# KiCad board Batch 1.kicad_pcb (continued)
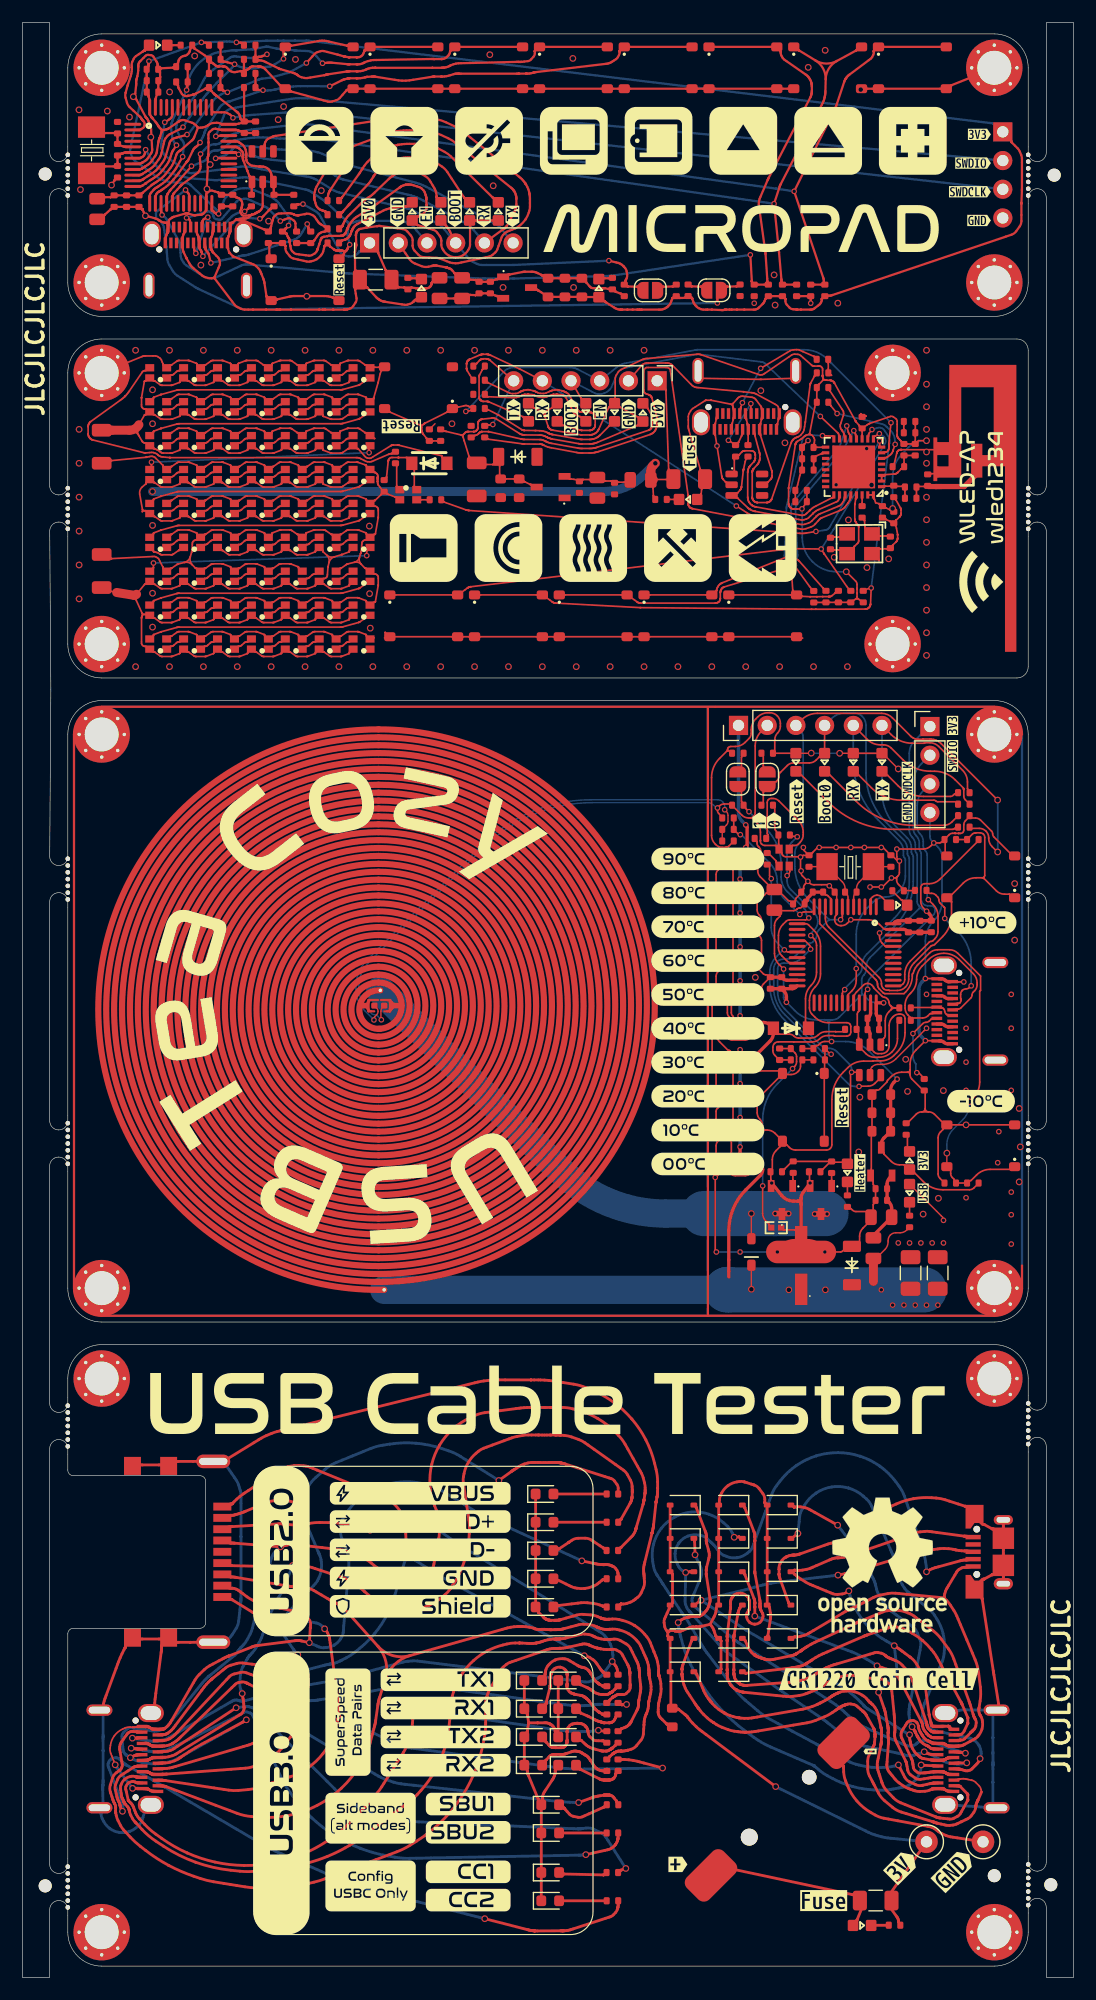
[diagram p0: board, top side]
## Routing (per net, layer and track width the routed paths; a pad name or vN(x,y) marks a point on that pad's centre or on a via; arc(x,y) is an arc through that point) (continued)
/Copy: length 54.2
  Top w0.2: 20.68,169.81 20.87,169.96 arc(20.88,169.96) 20.88,169.96 20.93,169.96 arc(20.97,169.96) 21.02,169.97 21.11,169.99 arc(21.16,170) 21.2,170.02 v2(21.63,170.19) ; 20.68,169.81 arc(20.66,169.76) 20.7,169.71 ; 20.68,169.81 arc(20.64,169.8) 20.61,169.85 ; U2.13 11.25,157.66 arc(11.25,157.7) 11.27,157.75 11.3,157.83 arc(11.32,157.87) 11.34,157.91 11.61,158.22 arc(11.63,158.24) 11.66,158.27 11.71,158.31 arc(11.74,158.33) 11.77,158.35 11.92,158.44 arc(11.94,158.46) 11.97,158.47 12.02,158.5 arc(12.04,158.52) 12.07,158.54 arc(12.09,158.55) 12.11,158.57 12.42,158.79 arc(12.52,158.86) 12.61,158.94 12.78,159.1 arc(12.86,159.18) 12.94,159.27 13.38,159.82 arc(13.42,159.87) 13.46,159.92 13.53,160.03 arc(13.56,160.08) 13.59,160.13 13.66,160.24 v2(14.16,161.13) ; 20.61,169.85 R10.2 ; 20.61,169.85 arc(20.63,169.76) 20.7,169.71 ; SW5.2 45.95,170.85 arc(45.76,170.82) 45.6,170.72 45.34,170.49 arc(45.34,170.49) 45.34,170.49 arc(45.34,170.49) 45.34,170.48 45.34,170.48 arc(45.34,170.48) 45.34,170.48 45.33,170.47 arc(45.33,170.47) 45.33,170.47 arc(45.33,170.46) 45.33,170.46 45.33,170.46 arc(45.33,170.46) 45.33,170.45 45.33,170.28 arc(45.31,170.13) 45.22,169.99 45,169.74 arc(44.88,169.64) 44.72,169.59 44.18,169.53 arc(44.16,169.52) 44.15,169.52 arc(44.14,169.52) 44.12,169.52 44.09,169.52 arc(44.08,169.52) 44.06,169.52 43.98,169.52 arc(43.95,169.52) 43.92,169.52 43.91,169.52 arc(43.9,169.52) 43.89,169.52 arc(43.88,169.52) 43.87,169.52 43.86,169.52 arc(43.84,169.52) 43.82,169.52 43.78,169.52 arc(43.76,169.52) 43.74,169.52 43.69,169.52 38.8,169.41 38.58,169.4 arc(38.46,169.39) 38.35,169.37 38.13,169.31 arc(38.03,169.28) 37.92,169.23 37.74,169.14 arc(37.68,169.11) 37.61,169.08 37.47,169.04 arc(37.41,169.03) 37.34,169.02 37.24,169.01 arc(37.23,169.01) 37.21,169.01 arc(37.19,169) 37.18,169 37.14,169 arc(37.12,169) 37.11,169 36.26,169 31.25,169 arc(31.24,169) 31.24,169 31.2,169 arc(31.2,169) 31.19,169 30.97,169 arc(30.9,169) 30.82,168.98 30.67,168.95 arc(30.6,168.93) 30.53,168.91 30.3,168.8 arc(30.2,168.77) 30.1,168.74 29.9,168.7 arc(29.8,168.69) 29.7,168.69 29.59,168.69 arc(29.59,168.69) 29.58,168.69 29.57,168.69 arc(29.55,168.69) 29.53,168.69 28.97,168.69 arc(28.95,168.69) 28.93,168.69 arc(28.9,168.69) 28.88,168.69 28.81,168.69 arc(28.8,168.69) 28.79,168.68 28.76,168.68 arc(28.75,168.68) 28.74,168.68 arc(28.73,168.68) 28.72,168.68 28.71,168.68 arc(28.69,168.67) 28.68,168.67 arc(28.66,168.67) 28.65,168.67 27.04,168.42 27,168.42 arc(26.98,168.41) 26.96,168.41 26.92,168.4 arc(26.9,168.39) 26.88,168.39 26.85,168.38 arc(26.83,168.37) 26.81,168.37 26.78,168.36 arc(26.76,168.35) 26.74,168.35 25.47,168.14 25.2,168.09 arc(25.07,168.09) 24.94,168.1 24.68,168.16 arc(24.56,168.21) 24.44,168.27 24.34,168.35 arc(24.34,168.35) 24.33,168.36 24.33,168.36 arc(24.32,168.36) 24.32,168.36 arc(24.31,168.37) 24.31,168.37 24.25,168.42 arc(24.21,168.44) 24.17,168.46 24.09,168.5 arc(24.05,168.52) 24.01,168.53 23.92,168.56 22.8,168.89 arc(22.78,168.89) 22.76,168.9 22.73,168.91 arc(22.71,168.92) 22.69,168.93 21.55,169.49 21.41,169.56 arc(21.34,169.59) 21.26,169.61 21.11,169.65 arc(21.04,169.66) 20.96,169.67 20.83,169.67 arc(20.78,169.67) 20.74,169.69 20.7,169.71
  Bottom w0.2: v2(21.63,170.19) 20.69,169.92 arc(20.59,169.9) 20.49,169.88 20.28,169.87 arc(20.17,169.86) 20.07,169.87 19.86,169.89 18.77,170.02 arc(18.71,170.02) 18.65,170.01 18.52,169.97 arc(18.46,169.95) 18.41,169.92 18.3,169.85 16.65,168.68 arc(16.55,168.6) 16.45,168.5 16.28,168.31 arc(16.19,168.2) 16.12,168.09 15.99,167.85 15.31,166.61 15.29,166.58 arc(15.29,166.57) 15.28,166.56 15.26,166.53 arc(15.25,166.52) 15.24,166.51 15.23,166.48 14.09,164.96 arc(14,164.83) 13.93,164.68 13.78,164.39 arc(13.71,164.24) 13.66,164.09 13.6,163.86 arc(13.59,163.81) 13.59,163.76 13.59,163.65 arc(13.6,163.59) 13.62,163.54 13.94,162.85 13.96,162.79 arc(13.97,162.77) 13.99,162.74 14.03,162.69 arc(14.04,162.67) 14.06,162.64 14.14,162.57 arc(14.19,162.51) 14.22,162.44 14.27,162.3 arc(14.29,162.22) 14.29,162.15 v2(14.16,161.13)
/D+: length 109.9
  Top w0.15: 74.32,82.07 74.64,81.75 arc(74.99,81.51) 75.41,81.43 75.78,81.43 arc(76.41,81.56) 76.95,81.91 arc(77.3,82.45) 77.43,83.08 77.43,84.38 ; 73.87,84.22 73.87,85.25 arc(73.89,85.37) 73.96,85.47 74.02,85.53 arc(74.04,85.56) 74.05,85.6 U6.33 ; U4.26 72.24,130.99 arc(72.24,130.95) 72.24,130.91 72.24,130.83 arc(72.23,130.79) 72.21,130.75 72.16,130.68 arc(72.14,130.64) 72.1,130.62 72.02,130.59 70.46,129.9 70.34,129.85 arc(70.28,129.82) 70.23,129.79 70.12,129.71 arc(70.07,129.67) 70.02,129.63 69.97,129.57 arc(69.96,129.56) 69.95,129.56 69.95,129.55 arc(69.93,129.54) 69.92,129.52 69.74,129.35 69.57,129.18 arc(69.48,129.11) 69.37,129.07 69.14,129 arc(69.03,128.98) 68.91,128.99 68.68,129.03 64.85,129.74 arc(64.84,129.74) 64.84,129.74 arc(64.83,129.75) 64.82,129.75 64.72,129.77 arc(64.66,129.78) 64.61,129.8 64.51,129.84 arc(64.46,129.87) 64.42,129.89 64.35,129.94 arc(64.34,129.94) 64.34,129.94 arc(64.34,129.94) 64.34,129.94 64.3,129.97 arc(64.28,129.98) 64.26,130 64.23,130.03 arc(64.21,130.04) 64.19,130.06 63.28,130.91 arc(63.28,130.91) 63.28,130.92 63.27,130.92 arc(63.27,130.92) 63.27,130.92 arc(63.27,130.92) 63.27,130.92 63.01,131.03 arc(62.94,131.15) 63.01,131.27 63.27,131.38 arc(63.27,131.38) 63.27,131.38 arc(63.27,131.38) 63.27,131.38 63.28,131.38 arc(63.28,131.39) 63.28,131.39 63.49,131.62 arc(63.5,131.62) 63.5,131.63 arc(63.5,131.63) 63.51,131.64 63.52,131.65 arc(63.52,131.65) 63.52,131.66 63.57,131.73 arc(63.58,131.74) 63.58,131.75 63.6,131.78 arc(63.6,131.8) 63.6,131.81 63.62,131.88 arc(63.62,131.89) 63.62,131.89 arc(63.62,131.89) 63.62,131.9 63.62,131.9 arc(63.62,131.91) 63.62,131.91 arc(63.62,131.91) 63.62,131.92 63.78,133.31 63.78,133.34 arc(63.78,133.35) 63.79,133.36 63.79,133.38 arc(63.79,133.4) 63.79,133.41 63.8,133.45 arc(63.8,133.45) 63.8,133.45 arc(63.8,133.45) 63.8,133.45 63.81,133.47 arc(63.81,133.48) 63.81,133.49 63.95,134.16 arc(64.01,134.32) 64.09,134.46 R40.2 ; 73.97,83.58 73.97,83.16 arc(73.98,83.14) 73.99,83.12 74.01,83.1 arc(74.01,83.1) 74.01,83.1
  Top w0.2: R3.2 22.34,157.76 arc(22.27,157.78) 22.24,157.85 22.23,157.88 arc(22.23,157.93) 22.23,157.98 22.23,158.4 arc(22.22,158.45) 22.22,158.5 22.21,158.67 arc(22.19,158.9) 22.13,159.11 22.03,159.43 arc(22.02,159.45) 22.02,159.46 22.02,159.53 arc(22.01,159.59) 22,159.64 21.96,159.75 arc(21.93,159.8) 21.9,159.85 21.77,160.02 arc(21.71,160.08) 21.63,160.13 21.47,160.21 arc(21.38,160.24) 21.29,160.25 21.06,160.25 arc(21.05,160.25) 21.04,160.25 21.02,160.25 arc(21.01,160.25) 21,160.25 20.98,160.26 arc(20.96,160.26) 20.95,160.26 arc(20.94,160.26) 20.93,160.26 20.52,160.31 20.3,160.34 arc(20.2,160.37) 20.11,160.43 19.94,160.58 arc(19.87,160.66) 19.82,160.76 19.79,160.86 arc(19.79,160.87) 19.79,160.87 arc(19.79,160.87) 19.79,160.87 19.79,160.89 arc(19.78,160.91) 19.78,160.94 19.77,160.98 arc(19.77,161) 19.77,161.03 19.77,161.06 arc(19.77,161.06) 19.77,161.07 19.77,161.08 arc(19.77,161.09) 19.77,161.09 19.77,161.1 arc(19.77,161.1) 19.77,161.1 arc(19.77,161.1) 19.77,161.1 arc(19.77,161.1) 19.77,161.1 arc(19.77,161.1) 19.77,161.1 19.77,161.11 arc(19.77,161.11) 19.77,161.11 19.8,161.26 arc(19.8,161.29) 19.8,161.32 19.8,161.37 arc(19.8,161.4) 19.8,161.42 19.74,161.74 arc(19.72,161.82) 19.68,161.9 19.59,162.05 arc(19.53,162.12) 19.47,162.18 19.13,162.43 arc(19.09,162.45) 19.06,162.46 18.98,162.49 arc(18.94,162.5) 18.9,162.5 U2.33
  Top w0.25: 52.96,40.54 52.96,40.54 arc(52.96,40.54) 52.96,40.54 52.96,40.54 arc(52.96,40.54) 52.96,40.54 52.96,40.55 arc(52.97,40.55) 52.97,40.55 arc(52.97,40.55) 52.97,40.55 53.75,41.94 53.8,42.02 arc(53.82,42.05) 53.83,42.08 53.86,42.14 arc(53.87,42.17) 53.88,42.21 53.89,42.27 arc(53.9,42.3) 53.91,42.34 53.91,42.34 arc(53.92,42.37) 53.92,42.39 53.93,42.43 arc(53.93,42.45) 53.93,42.47 53.94,42.5 arc(53.94,42.51) 53.94,42.53 arc(53.94,42.55) 53.94,42.56 53.96,42.95 arc(53.96,42.97) 53.96,42.98 53.96,43 arc(53.96,43.01) 53.96,43.02 53.94,43.48 arc(53.9,43.75) 53.8,44 53.53,44.49 arc(53.38,44.71) 53.17,44.9 52.49,45.38 50.57,46.74 49.77,47.31 arc(49.5,47.48) 49.2,47.61 48.58,47.83 arc(48.27,47.92) 47.95,47.97 47.53,48 arc(47.49,48) 47.44,48 47.35,48 arc(47.3,48) 47.26,48 47.23,48 arc(47.21,48) 47.2,48 arc(47.19,48) 47.17,48 47.16,48 arc(47.14,48) 47.11,48 46.79,48 arc(46.76,48) 46.73,48 arc(46.7,48) 46.67,48 46.4,48 arc(46.3,48) 46.19,48 arc(46.09,48) 45.99,48 45.71,48 arc(45.69,48) 45.66,48 arc(45.63,48) 45.61,48 44.74,48.01 arc(44.5,47.99) 44.25,47.96 43.77,47.88 arc(43.53,47.82) 43.3,47.75 42.6,47.49 41.57,47.11 40.81,46.83 arc(40.57,46.72) 40.35,46.57 40.14,46.39 arc(39.76,46.01) 39.45,45.58 arc(39.22,45.1) 39.07,44.58 39.02,44.31 arc(38.99,44.05) 39.01,43.78 39.13,42.98 39.5,40.48 arc(39.54,40.07) 39.55,39.67 39.53,39.26 arc(39.46,38.45) 39.32,37.65 arc(39.11,36.87) 38.82,36.11 38.66,35.73 arc(38.48,35.37) 38.27,35.02 38.05,34.69 arc(38.05,34.68) 38.04,34.67 arc(38.03,34.66) 38.03,34.65 37.84,34.37 arc(37.63,34.1) 37.38,33.86 37.12,33.64 arc(36.56,33.24) 35.95,32.92 arc(35.3,32.68) 34.63,32.55 arc(33.94,32.5) 33.26,32.56 arc(32.59,32.71) 31.94,32.95 31.63,33.09 arc(31.33,33.26) 31.05,33.46 29.69,34.64 arc(29.51,34.78) 29.31,34.91 28.89,35.15 arc(28.68,35.25) 28.46,35.34 27.78,35.56 26.35,36.03 25.64,36.26 arc(25.4,36.33) 25.16,36.37 24.66,36.44 arc(24.41,36.46) 24.16,36.46 v1(23.88,36.44) 23.22,36.27 arc(23.13,36.25) 23.04,36.24 22.85,36.23 arc(22.76,36.22) 22.67,36.23 21.98,36.32 arc(21.87,36.33) 21.75,36.34 21.53,36.36 arc(21.41,36.37) 21.3,36.37 20.96,36.38 18.52,36.44 arc(18.5,36.44) 18.49,36.44 arc(18.48,36.44) 18.46,36.44 18.41,36.44 arc(18.35,36.45) 18.29,36.46 17.68,36.67 ; v1(19.43,25.12) 19.52,24.6 arc(19.54,24.5) 19.55,24.41 19.57,24.22 arc(19.58,24.12) 19.59,24.03 19.6,23.81 arc(19.6,23.72) 19.56,23.63 19.48,23.46 arc(19.42,23.38) 19.35,23.32 13.94,20 13.53,19.74 arc(13.39,19.67) 13.24,19.61 12.93,19.53 arc(12.77,19.49) 12.61,19.48 12.39,19.48 arc(12.33,19.48) 12.26,19.48 11.69,19.44 arc(11.63,19.43) 11.56,19.43 11.5,19.43 arc(11.49,19.43) 11.49,19.43 11.48,19.43 arc(11.48,19.43) 11.47,19.43 11.4,19.41 arc(11.38,19.4) 11.36,19.4 11.33,19.37 arc(11.31,19.36) 11.29,19.35 11.28,19.34 arc(11.28,19.34) 11.28,19.33 arc(11.27,19.33) 11.27,19.33 11.26,19.32 arc(11.24,19.3) 11.23,19.29 11.19,19.27 arc(11.17,19.26) 11.15,19.26 11.09,19.24 arc(11.08,19.24) 11.08,19.24 arc(11.08,19.24) 11.07,19.23 11.06,19.23 arc(11.06,19.23) 11.06,19.23 10.99,19.23 arc(10.93,19.23) 10.86,19.23 J11.B6
  Bottom w0.25: v1(19.43,25.12) 19.31,25.47 arc(19.23,25.79) 19.23,26.13 19.28,26.81 arc(19.35,27.14) 19.48,27.45 19.87,28.16 19.92,28.26 arc(19.94,28.3) 19.96,28.33 20.01,28.39 arc(20.03,28.42) 20.06,28.45 20.13,28.53 20.3,28.7 arc(20.48,28.91) 20.63,29.14 20.92,29.61 arc(21.06,29.85) 21.16,30.1 21.44,30.88 21.81,31.89 21.83,31.96 arc(21.84,31.99) 21.85,32.01 21.87,32.06 arc(21.88,32.08) 21.89,32.1 22.28,32.96 arc(22.32,33.04) 22.36,33.12 22.45,33.28 arc(22.49,33.36) 22.54,33.44 22.71,33.71 arc(22.82,33.88) 22.91,34.05 23.09,34.41 arc(23.17,34.59) 23.25,34.77 23.46,35.33 v1(23.88,36.44)
/D-: length 139.2
  Top w0.15: 76.84,85.97 76.79,86.02 arc(76.71,86.14) 76.68,86.29 arc(76.65,86.44) 76.57,86.56 76.47,86.66 arc(76.38,86.72) 76.27,86.74 arc(76.17,86.76) 76.08,86.82 75.34,87.56 arc(75.32,87.59) 75.31,87.62 arc(75.31,87.66) 75.29,87.69 75.16,87.81 arc(74.99,87.93) 74.79,87.97 arc(74.59,87.93) 74.42,87.81 73.8,87.19 arc(73.61,86.92) 73.55,86.6 U6.32 ; 76.84,85.97 arc(76.91,85.8) 76.84,85.63 ; 76.84,85.97 arc(77.03,85.84) 77.24,85.8 ; 77.59,85.81 77.59,85.79 ; 77.59,85.81 77.59,85.89 ; 77.59,85.81 arc(77.59,85.8) 77.58,85.8 ; 77.59,85.79 77.59,85.79 ; 77.59,85.79 arc(77.59,85.8) 77.58,85.8 ; ESD2.1 62.96,133.25 arc(62.98,133.28) 62.99,133.31 62.99,134.36 arc(62.99,134.39) 63.01,134.43 63.05,134.49 arc(63.11,134.58) 63.2,134.64 63.41,134.75 arc(63.42,134.75) 63.42,134.75 arc(63.42,134.75) 63.42,134.75 63.43,134.76 arc(63.43,134.76) 63.43,134.76 63.43,134.76 arc(63.43,134.76) 63.44,134.77 63.67,135.02 arc(63.69,135.03) 63.71,135.05 63.75,135.07 arc(63.77,135.08) 63.8,135.09 63.83,135.1 arc(63.84,135.1) 63.85,135.1 arc(63.86,135.1) 63.87,135.1 63.88,135.1 arc(63.89,135.11) 63.9,135.11 arc(63.91,135.11) 63.92,135.11 64.57,135.1 arc(64.62,135.09) 64.66,135.07 64.75,135 arc(64.79,134.96) 64.81,134.91 64.83,134.85 arc(64.83,134.84) 64.83,134.83 arc(64.83,134.81) 64.84,134.8 64.84,134.8 arc(64.84,134.79) 64.84,134.78 arc(64.84,134.77) 64.84,134.77 64.84,134.75 arc(64.85,134.74) 64.85,134.73 64.85,134.45 arc(64.85,134.44) 64.84,134.43 64.84,134.42 arc(64.84,134.41) 64.84,134.4 64.83,134.32 arc(64.82,134.31) 64.82,134.29 64.8,134.26 arc(64.8,134.25) 64.79,134.24 64.75,134.18 arc(64.75,134.18) 64.75,134.17 arc(64.74,134.17) 64.74,134.16 64.73,134.15 arc(64.73,134.15) 64.73,134.15 64.4,133.78 arc(64.39,133.77) 64.38,133.76 64.36,133.74 arc(64.36,133.73) 64.35,133.72 64.32,133.69 arc(64.32,133.68) 64.32,133.68 64.29,133.63 arc(64.27,133.6) 64.25,133.57 64.23,133.5 arc(64.22,133.47) 64.21,133.44 64.19,133.37 arc(64.19,133.37) 64.19,133.37 arc(64.19,133.37) 64.19,133.37 64.18,133.32 arc(64.18,133.31) 64.18,133.29 64.18,133.25 arc(64.17,133.24) 64.17,133.22 64.17,130.98 arc(64.17,130.96) 64.18,130.95 64.18,130.91 arc(64.18,130.89) 64.18,130.88 64.19,130.83 arc(64.19,130.83) 64.19,130.83 arc(64.19,130.83) 64.19,130.83 64.21,130.76 arc(64.22,130.73) 64.23,130.7 64.25,130.63 arc(64.27,130.6) 64.29,130.57 64.36,130.46 arc(64.38,130.43) 64.41,130.41 64.46,130.36 arc(64.48,130.33) 64.51,130.31 64.56,130.27 arc(64.57,130.27) 64.57,130.27 64.62,130.24 arc(64.65,130.22) 64.68,130.2 64.75,130.18 arc(64.78,130.17) 64.82,130.16 64.9,130.14 arc(64.91,130.14) 64.91,130.14 arc(64.92,130.14) 64.92,130.14 68.8,129.41 68.94,129.39 arc(69,129.38) 69.07,129.4 69.2,129.43 arc(69.26,129.46) 69.31,129.5 69.41,129.59 69.63,129.78 arc(69.65,129.8) 69.67,129.82 69.68,129.83 arc(69.68,129.83) 69.69,129.84 arc(69.7,129.85) 69.7,129.86 69.75,129.9 arc(69.8,129.95) 69.85,129.99 69.97,130.08 arc(70.03,130.12) 70.09,130.15 70.22,130.22 71.62,130.94 arc(71.63,130.94) 71.63,130.94 arc(71.63,130.95) 71.64,130.95 71.65,130.95 arc(71.65,130.95) 71.66,130.95 71.7,130.95 arc(71.73,130.96) 71.74,130.99 U4.25 ; 76.18,83.07 76.26,83.15 arc(76.32,83.25) 76.35,83.35 76.35,84.67 arc(76.43,85.1) 76.68,85.47 76.84,85.63 ; 76.84,85.63 arc(77.03,85.76) 77.24,85.8 ; 77.24,85.8 77.58,85.8
  Top w0.2: U2.32 18.78,162 arc(18.86,161.99) 18.95,161.97 19.05,161.93 arc(19.08,161.92) 19.1,161.91 19.14,161.88 arc(19.16,161.86) 19.18,161.85 19.45,161.58 arc(19.48,161.53) 19.5,161.49 19.52,161.38 arc(19.53,161.33) 19.52,161.28 19.51,161.23 arc(19.51,161.23) 19.51,161.23 arc(19.51,161.22) 19.5,161.22 19.5,161.21 arc(19.5,161.2) 19.5,161.19 19.49,161.17 arc(19.49,161.16) 19.49,161.15 19.49,161.14 arc(19.49,161.14) 19.49,161.14 arc(19.49,161.14) 19.49,161.14 19.48,161.1 arc(19.48,161.06) 19.48,161.02 19.49,160.94 arc(19.5,160.9) 19.51,160.86 19.88,159.91 arc(19.89,159.9) 19.89,159.89 arc(19.89,159.89) 19.89,159.88 20.06,159.43 arc(20.06,159.43) 20.07,159.43 20.07,159.42 arc(20.07,159.42) 20.07,159.42 arc(20.07,159.42) 20.07,159.42 20.21,159.11 arc(20.27,158.9) 20.29,158.67 20.28,158.5 arc(20.28,158.45) 20.27,158.4 20.27,157.98 arc(20.27,157.93) 20.27,157.88 R11.2
  Top w0.25: 52.95,38.04 52.95,38.04 arc(52.95,38.04) 52.95,38.04 52.95,38.04 arc(52.95,38.04) 52.95,38.04 53.97,39.08 arc(54.03,39.15) 54.08,39.22 54.17,39.38 arc(54.21,39.46) 54.24,39.55 54.28,39.7 arc(54.28,39.7) 54.28,39.7 arc(54.28,39.71) 54.28,39.71 54.28,39.72 arc(54.29,39.73) 54.29,39.74 54.3,39.78 arc(54.31,39.82) 54.33,39.87 54.93,41.93 arc(54.94,41.97) 54.95,42.01 54.97,42.08 arc(54.98,42.12) 54.98,42.15 54.99,42.18 arc(54.99,42.19) 54.99,42.2 arc(54.99,42.2) 54.99,42.21 54.99,42.23 arc(54.99,42.24) 55,42.25 arc(55,42.27) 55,42.28 55,42.28 arc(55,42.29) 55,42.31 55.07,42.72 arc(55.07,42.77) 55.08,42.81 55.09,42.85 arc(55.09,42.86) 55.09,42.86 arc(55.09,42.86) 55.09,42.86 55.09,42.89 arc(55.09,42.92) 55.09,42.95 55.1,43.01 arc(55.1,43.04) 55.1,43.07 55.1,43.33 arc(55.08,43.56) 55.04,43.78 54.93,44.22 arc(54.85,44.43) 54.76,44.64 53.56,46.77 53.32,47.19 arc(53.06,47.59) 52.75,47.95 52.42,48.29 arc(51.7,48.92) 50.91,49.46 arc(50.06,49.88) 49.16,50.19 48.7,50.32 arc(48.23,50.41) 47.75,50.44 46.78,50.44 46.74,50.44 arc(46.72,50.44) 46.7,50.44 46.26,50.44 arc(46.23,50.44) 46.19,50.44 arc(46.16,50.44) 46.13,50.44 45.69,50.44 arc(45.67,50.44) 45.65,50.44 arc(45.62,50.44) 45.6,50.44 45.21,50.44 arc(45.17,50.44) 45.14,50.44 45.12,50.44 arc(45.1,50.44) 45.09,50.44 44.93,50.44 arc(44.79,50.44) 44.65,50.44 44.37,50.42 arc(44.23,50.41) 44.09,50.39 43.67,50.34 40.9,49.98 arc(40.45,49.88) 40.02,49.72 39.6,49.53 arc(38.8,49.08) 38.07,48.52 arc(37.43,47.86) 36.9,47.11 arc(36.49,46.28) 36.21,45.41 arc(36.07,44.5) 36.06,43.58 36.09,43.12 arc(36.15,42.66) 36.28,42.22 36.44,41.8 arc(36.45,41.79) 36.45,41.78 arc(36.46,41.76) 36.46,41.75 36.61,41.37 arc(36.73,40.96) 36.8,40.54 36.88,39.7 arc(36.88,39.27) 36.83,38.85 36.59,37.57 36.4,36.58 arc(36.3,36.27) 36.12,36 35.91,35.75 arc(35.42,35.31) 34.85,35.01 arc(34.21,34.87) 33.56,34.89 33.23,34.95 arc(32.92,35.04) 32.64,35.21 31.88,35.84 30.84,36.69 arc(30.42,36.98) 29.97,37.21 29.03,37.61 arc(28.55,37.77) 28.05,37.86 27.54,37.92 26.52,38.04 24.01,38.32 arc(23.92,38.33) 23.83,38.33 23.65,38.31 arc(23.57,38.3) 23.48,38.28 v1(22.82,38.1) 18.79,38.43 18.69,38.43 arc(18.66,38.44) 18.63,38.44 18.57,38.44 arc(18.54,38.44) 18.51,38.44 18.41,38.44 arc(18.35,38.45) 18.29,38.46 17.68,38.67 ; v1(19.8,22.8) 19.8,22.79 arc(19.79,22.79) 19.79,22.79 19.77,22.77 arc(19.74,22.75) 19.71,22.73 19.65,22.69 arc(19.62,22.67) 19.59,22.65 19.5,22.6 16.69,21.09 15.86,20.65 arc(15.59,20.49) 15.32,20.33 14.78,20.01 arc(14.51,19.84) 14.25,19.66 13.78,19.34 arc(13.61,19.24) 13.42,19.16 13.04,19.04 arc(12.85,19) 12.65,18.98 12.39,18.98 arc(12.33,18.98) 12.26,18.98 J11.A7 ; J11.B7 10.29,19.69 arc(10.23,19.68) 10.16,19.68 10.08,19.68 arc(10.06,19.68) 10.04,19.68 10.01,19.67 arc(9.99,19.66) 9.97,19.66 9.96,19.65 arc(9.95,19.65) 9.95,19.64 arc(9.94,19.64) 9.94,19.64 9.94,19.64 arc(9.93,19.63) 9.92,19.63 9.57,19.46 arc(9.56,19.46) 9.56,19.45 9.55,19.45 arc(9.55,19.45) 9.54,19.45 v1(9.54,19.45)
  Bottom w0.25: v1(22.82,38.1) 22.81,38.1 arc(22.81,38.09) 22.8,38.09 22.66,38 arc(22.52,37.89) 22.4,37.76 22.19,37.47 arc(22.1,37.32) 22.04,37.16 21.89,36.64 20.77,32.71 arc(20.73,32.56) 20.69,32.41 arc(20.65,32.25) 20.62,32.1 20.34,30.92 arc(20.26,30.65) 20.14,30.39 19.87,29.88 arc(19.72,29.64) 19.54,29.42 19.29,29.15 arc(19.25,29.11) 19.22,29.07 19.15,28.99 arc(19.12,28.95) 19.09,28.91 19.07,28.87 arc(19.06,28.86) 19.06,28.85 arc(19.06,28.85) 19.05,28.84 19.02,28.8 arc(18.99,28.75) 18.95,28.7 18.87,28.61 arc(18.83,28.57) 18.78,28.53 18.65,28.41 16.6,26.74 arc(16.57,26.71) 16.53,26.68 16.5,26.66 arc(16.5,26.65) 16.49,26.65 16.4,26.57 arc(16.32,26.5) 16.24,26.42 16.08,26.26 arc(16,26.17) 15.93,26.09 12.8,22.23 arc(12.65,22.09) 12.47,21.99 12.07,21.84 arc(11.87,21.79) 11.67,21.79 11.04,21.89 10.02,22.05 arc(9.95,22.06) 9.88,22.07 9.81,22.08 arc(9.81,22.08) 9.81,22.08 9.6,22.1 arc(9.4,22.08) 9.24,21.97 8.93,21.68 arc(8.83,21.52) 8.8,21.32 8.84,20.69 8.88,20.15 arc(8.9,20.06) 8.93,19.99 9.02,19.84 arc(9.07,19.77) 9.13,19.72 9.21,19.67 arc(9.21,19.67) 9.21,19.66 arc(9.21,19.66) 9.21,19.66 v1(9.54,19.45) 9.55,19.44 arc(9.55,19.44) 9.56,19.43 9.8,19.3 arc(10.06,19.18) 10.33,19.1 10.61,19.03 arc(11.16,18.92) 11.73,18.89 arc(12.29,18.93) 12.85,19.04 13.12,19.11 arc(13.39,19.2) 13.65,19.33 14.39,19.74 19.52,22.61 19.61,22.66 arc(19.64,22.68) 19.66,22.69 19.72,22.73 arc(19.74,22.75) 19.77,22.77 19.79,22.79 arc(19.79,22.79) 19.8,22.79 v1(19.8,22.8)
/Down: length 44.6
  Top w0.127: SW18.2 v1(81.8,72.95)
  Top w0.15: v1(83.8,77.5) 84.12,77.82 arc(84.56,78.47) 84.71,79.24 84.71,87.28 84.78,87.35 84.78,88.62 82.75,90.65 arc(82.43,90.87) 82.05,90.94 80.97,90.94 arc(80.59,90.87) 80.26,90.65 79.26,89.65 79.17,89.56 79.02,89.34 78.9,89.11 78.82,88.86 78.74,88.78 78.74,88.63 arc(78.59,87.86) 78.15,87.21 78,87.06 76.32,87.06 76.19,87.11 76.14,87.16 75.84,87.46 75.79,87.52 75.71,87.66 75.67,87.81 75.66,87.97 75.62,88.12 75.54,88.26 75.49,88.32 70.55,93.25 U6.11 ; 82.14,71.36 82.14,71.14 arc(82.18,70.95) 82.29,70.78 82.45,70.62 arc(82.45,70.62) 82.45,70.62 82.45,70.62 ; 87.31,71.51 85.64,71.51 arc(84.98,71.38) 84.43,71.01 83.95,70.54 arc(83.92,70.52) 83.89,70.51 83.86,70.51 ; 82.88,70.3 83.32,70.3
  Bottom w0.127: v1(83.8,77.5) 83.8,77.33 arc(83.65,76.56) 83.21,75.91 82.39,75.09 arc(81.95,74.44) 81.8,73.67 v1(81.8,72.95)
/Eject: length 88.2
  Top w0.2: 70.17,169.65 68.72,170.54 arc(68.72,170.54) 68.71,170.54 SW7.1 ; 70.17,169.65 arc(71.11,169.37) 72.06,169.6 ; 70.17,169.65 arc(70.85,168.94) 71.08,167.99 ; C27.1 67.35,149.81 arc(67.26,149.83) 67.21,149.9 67.19,149.94 arc(67.17,149.98) 67.17,150.03 67.17,150.1 arc(67.16,150.13) 67.16,150.15 67.16,150.2 arc(67.16,150.23) 67.16,150.25 67.15,150.3 66.95,152.65 arc(66.95,152.67) 66.94,152.69 arc(66.94,152.71) 66.94,152.73 v2(66.51,156.97) 66.99,158.46 67.01,158.51 arc(67.02,158.54) 67.03,158.56 67.05,158.61 arc(67.06,158.64) 67.07,158.66 67.1,158.71 70.74,165.74 70.82,165.89 arc(70.85,165.96) 70.88,166.04 70.93,166.19 arc(70.96,166.27) 70.98,166.34 71.02,166.55 arc(71.02,166.6) 71.03,166.65 71.04,166.75 arc(71.05,166.8) 71.05,166.85 71.05,166.94 71.08,167.99 ; v2(14.95,160.29) 13.98,159.2 arc(13.97,159.19) 13.96,159.17 arc(13.95,159.16) 13.94,159.15 13.93,159.14 arc(13.93,159.14) 13.93,159.14 arc(13.93,159.14) 13.93,159.13 13.68,158.85 arc(13.67,158.84) 13.66,158.83 arc(13.66,158.82) 13.65,158.81 arc(13.64,158.8) 13.63,158.79 13.55,158.7 arc(13.46,158.6) 13.37,158.5 13.09,158.21 arc(13.08,158.19) 13.07,158.18 13.05,158.15 arc(13.04,158.14) 13.03,158.13 arc(13.02,158.11) 13.01,158.1 12.85,157.87 arc(12.85,157.86) 12.84,157.84 12.83,157.82 arc(12.82,157.8) 12.82,157.79 12.78,157.7 arc(12.76,157.61) 12.75,157.53 U2.16 ; SW7.2 73.79,170.54 arc(73.79,170.54) 73.79,170.54 73.78,170.54 72.06,169.6 ; 71.08,167.99 arc(71.35,168.93) 72.06,169.6
  Bottom w0.2: v2(14.95,160.29) 16.08,160.75 arc(16.15,160.79) 16.21,160.84 16.31,160.96 arc(16.36,161.02) 16.39,161.09 16.41,161.16 arc(16.41,161.17) 16.42,161.18 arc(16.42,161.18) 16.42,161.19 16.45,161.29 arc(16.49,161.38) 16.57,161.46 16.74,161.6 arc(16.83,161.65) 16.93,161.67 17.28,161.69 arc(17.38,161.71) 17.48,161.74 17.68,161.82 arc(17.77,161.87) 17.85,161.93 18.2,162.24 18.34,162.36 arc(18.41,162.42) 18.49,162.46 18.66,162.54 arc(18.75,162.58) 18.84,162.6 19.02,162.63 19.74,162.73 20.12,162.79 arc(20.31,162.81) 20.51,162.83 20.89,162.84 arc(21.09,162.85) 21.28,162.84 21.67,162.81 22.45,162.76 22.8,162.74 arc(22.98,162.73) 23.15,162.73 23.5,162.74 arc(23.68,162.75) 23.85,162.77 24.26,162.83 arc(24.49,162.85) 24.72,162.85 25.18,162.84 arc(25.4,162.83) 25.63,162.8 26.27,162.69 arc(26.35,162.67) 26.43,162.66 arc(26.51,162.64) 26.6,162.63 v2(66.51,156.97)
/Flashlight: length 56
  Top w0.15: v2(75.83,136.62) 75.48,136.42 arc(75.48,136.42) 75.47,136.41 arc(75.47,136.41) 75.47,136.41 75.46,136.41 arc(75.45,136.41) 75.45,136.41 75.4,136.41 arc(75.37,136.39) 75.36,136.37 U4.9 ; R49.2 73.17,122.83 arc(73.05,122.96) 72.94,123.1 70.95,125.97 arc(70.95,125.97) 70.95,125.98 arc(70.95,125.98) 70.95,125.98 70.92,126.02 arc(70.92,126.02) 70.92,126.03 arc(70.91,126.03) 70.91,126.04 v2(70.68,126.41) 68.02,126.44 68,126.44 arc(68,126.44) 67.99,126.44 67.97,126.44 arc(67.96,126.44) 67.95,126.44 67.93,126.44 39.66,123.07 arc(39.66,123.07) 39.66,123.07 arc(39.66,123.07) 39.65,123.07 39.65,123.07 arc(39.64,123.07) 39.64,123.07 39.54,123.05 arc(39.53,123.05) 39.51,123.04 39.48,123.03 arc(39.47,123.02) 39.46,123.01 arc(39.44,123.01) 39.43,123 39.38,122.97 arc(39.38,122.96) 39.37,122.96 arc(39.37,122.95) 39.36,122.95 39.16,122.81 arc(38.96,122.66) 38.76,122.52 38.68,122.47 arc(38.49,122.38) 38.29,122.35 SW13.1
  Bottom w0.15: v2(70.68,126.41) 71.76,128.12 arc(71.76,128.13) 71.77,128.14 arc(71.77,128.15) 71.78,128.16 76.25,135.61 76.36,135.79 arc(76.39,135.89) 76.39,135.99 76.34,136.19 arc(76.3,136.28) 76.23,136.35 76.06,136.47 v2(75.83,136.62)
/Game of Life: length 27.7
  Top w0.15: 68.29,122.35 SW15.1 ; 68.29,122.35 arc(68.5,122.33) 68.7,122.29 ; 68.29,122.35 arc(68.38,122.41) 68.36,122.51 ; 68.36,122.51 68.16,122.74 arc(68.16,122.74) 68.16,122.74 arc(68.16,122.75) 68.16,122.75 arc(68.16,122.75) 68.16,122.75 v2(68.06,124.25) ; 68.36,122.51 arc(68.52,122.38) 68.7,122.29 ; 68.7,122.29 68.89,122.24 arc(68.93,122.23) 68.96,122.23 69,122.23 arc(69,122.22) 69,122.22 arc(69,122.22) 69.01,122.22 69.68,122.19 arc(69.69,122.19) 69.7,122.19 arc(69.71,122.19) 69.72,122.19 70.3,122.19 arc(70.3,122.19) 70.3,122.19 70.82,122.2 arc(70.82,122.2) 70.82,122.2 71.34,122.2 arc(71.34,122.2) 71.35,122.2 71.35,122.2 arc(71.36,122.2) 71.36,122.2 71.36,122.2 arc(71.36,122.2) 71.36,122.2 71.37,122.2 arc(71.38,122.2) 71.39,122.2 71.4,122.2 arc(71.41,122.2) 71.41,122.2 71.46,122.2 arc(71.48,122.2) 71.51,122.21 71.55,122.23 arc(71.57,122.24) 71.59,122.25 71.9,122.5 arc(71.9,122.5) 71.9,122.5 arc(71.9,122.5) 71.91,122.5 R45.2 ; U4.16 71.74,136.37 arc(71.73,136.39) 71.7,136.41 71.66,136.41 arc(71.66,136.41) 71.66,136.41 arc(71.66,136.41) 71.66,136.41 v2(70.79,136.44)
  Bottom w0.15: v2(68.06,124.25) 67.82,124.65 arc(67.81,124.66) 67.8,124.67 arc(67.8,124.69) 67.79,124.7 67.78,124.73 arc(67.77,124.75) 67.76,124.76 67.45,125.72 arc(67.45,125.74) 67.44,125.77 67.43,125.82 arc(67.43,125.84) 67.43,125.87 67.6,129.99 67.6,130.06 arc(67.61,130.09) 67.61,130.12 67.62,130.19 arc(67.62,130.22) 67.63,130.25 67.65,130.32 69.01,136.04 69.05,136.21 arc(69.09,136.29) 69.14,136.35 69.29,136.46 arc(69.36,136.49) 69.45,136.51 69.62,136.5 v2(70.79,136.44)
